# Altium PCB MB1312.PcbDoc (part 2 of 4) (continued)
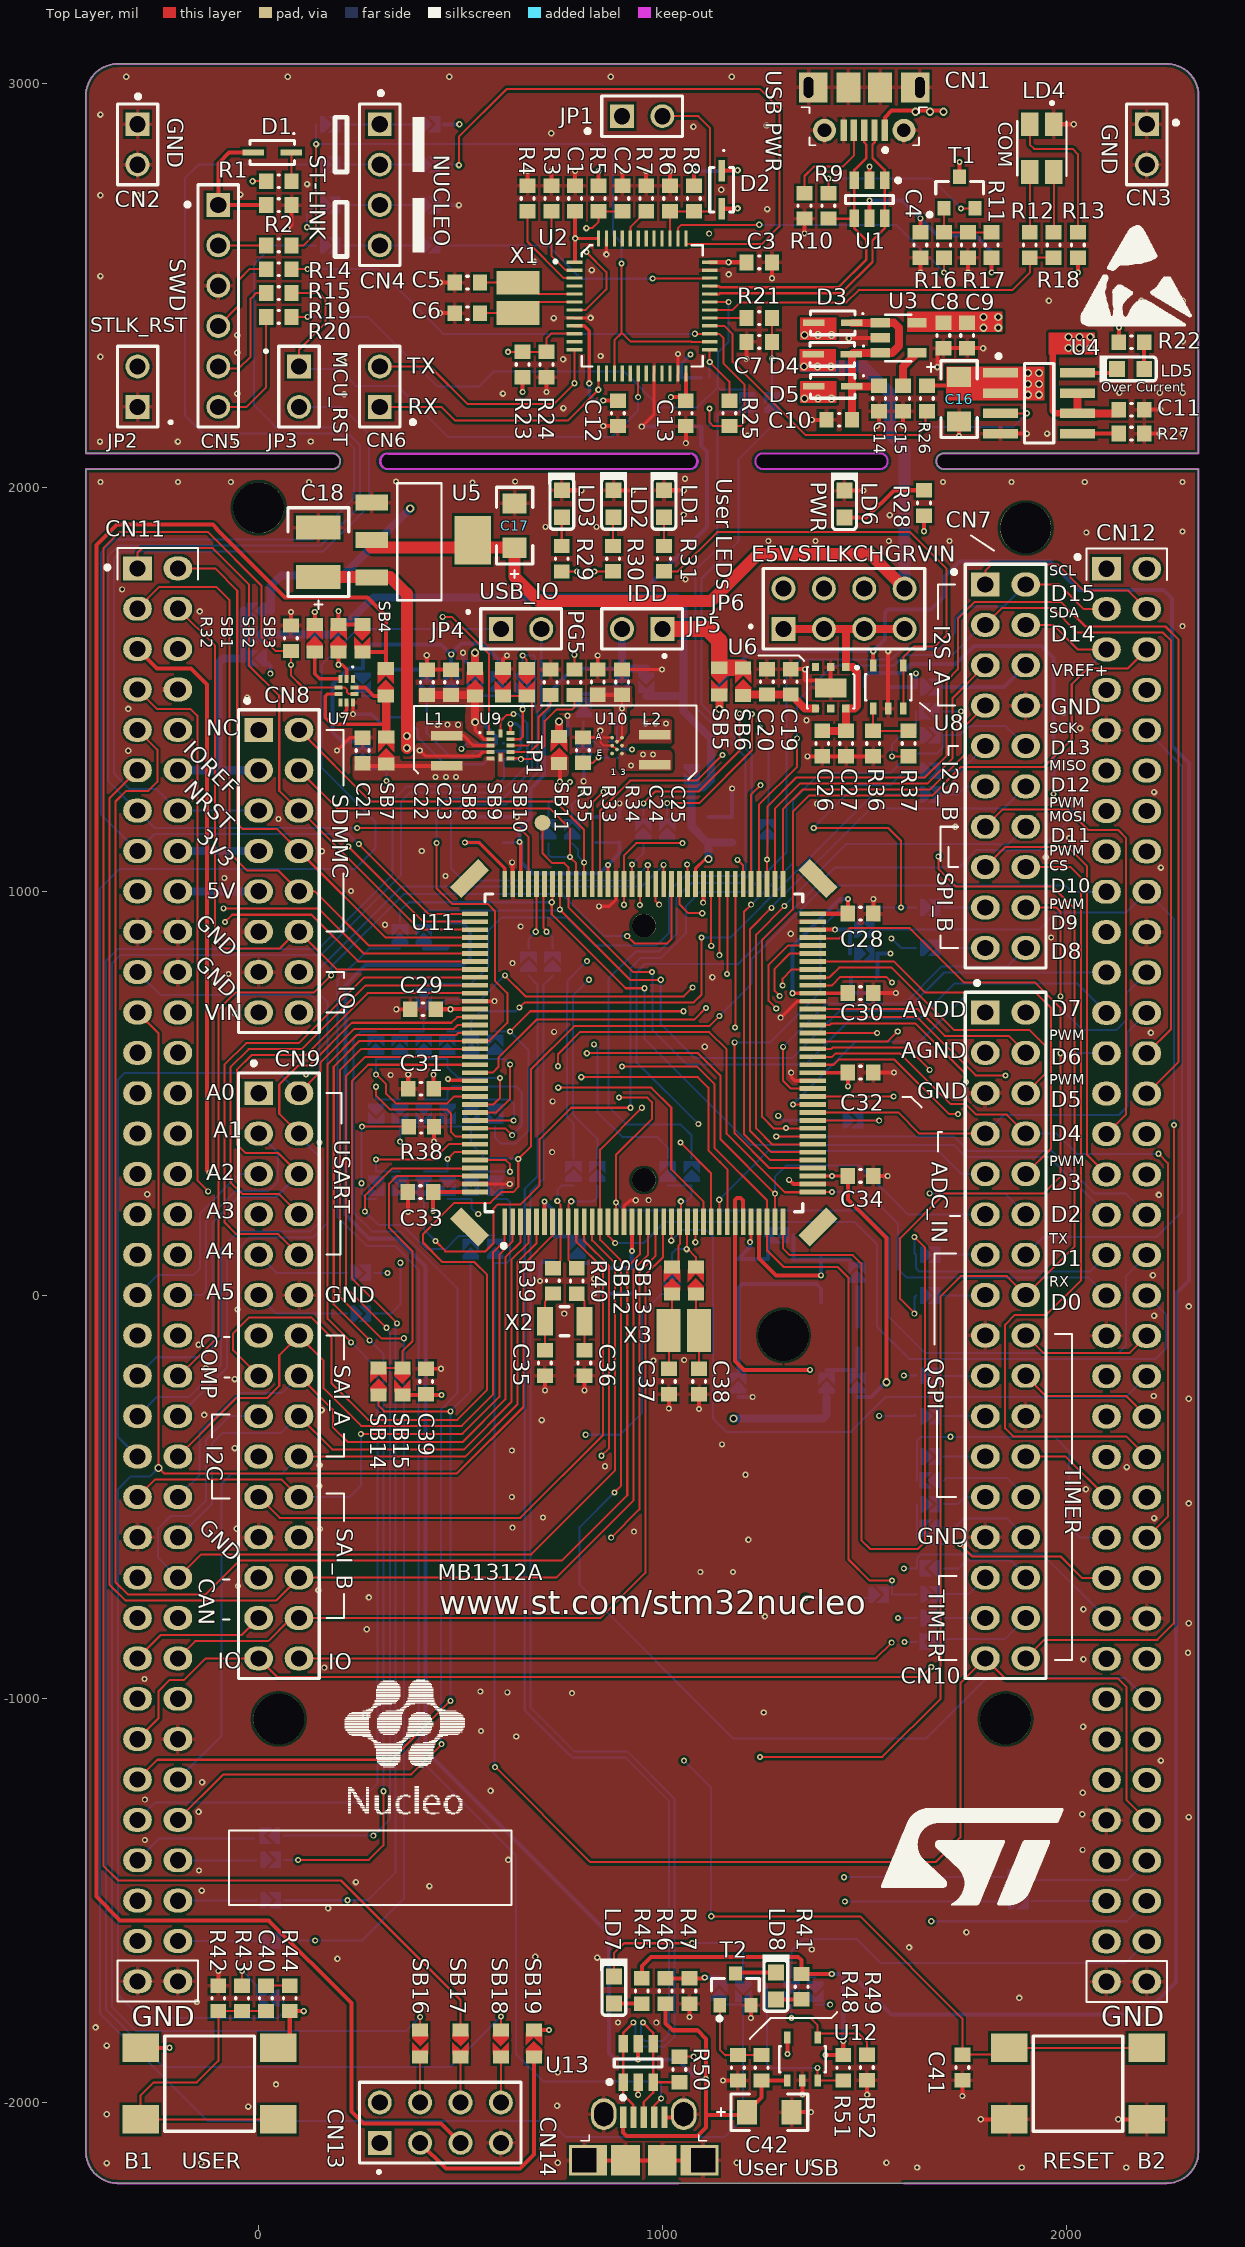
[diagram p0: Top Layer view]
## Nets (pads, with @x,y where several pads share a name; then routed paths per layer and width w, separated by ;. In a path a pad name is that pad's centre, name@x,y a point inside that pad or via, vN(x,y) a via of type N, cw(c..) or ccw(c..) an arc to the next point about the centre after c; other vN are vias at no path point) (continued)
  Signal w5: v1(488.73,1283.33) 572.33,1283.33 782,1493 v1(782,1586)
  other v1: 437.73,1283.33 464,1283.2
NetC22_2: C22.2 C23.1 SB8.1 SB113.1 SB116.2 SB117.2 SB129.2 U9.2 U15.A2 | length 1312.6
  Top Layer w8: v3(536.37,1419) 536.37,1399.05 558.68,1376.75 U9.2@574.39,1376.75
  Top Layer w20: C22.2@413.5,1486.5 536.37,1486.5 v3(536.37,1419)
  Signal w10: v1(477,1587) 477,1478.37 v3(536.37,1419)
  Bottom Layer w10: SB129.2@258,1370.75 207.25,1370.75 183,1395 183,1512 222.75,1551.75 SB113.1@258,1551.75 258,1600 270,1612 452,1612 v1(477,1587) ; SB116.2@477,1551.75 v1(477,1587) ; v3(536.37,1419) 552,1419 588,1383 U15.A2@588,1366.69 ; SB117.2@594.6,1552.08 594.6,1574.4 555,1614 502.84,1614 477,1588.16 v1(477,1587)
NetC24_1: C24.1 C25.2 SB120.2 SB121.2 U10.A3 U10.B2 U16.A2 U16.A3 | length 411
  Top Layer w5: U10.B2@887.69,1370.94 890.13,1370.94 U10.A3@899.97,1380.78 900.31,1381.12 v1(900.31,1453) C25.2@900.31,1486.75
  Top Layer w10: C24.1@839.83,1486.75 C25.2@900.31,1486.75
  Bottom Layer w5: U16.A3@868,1370.94 U16.A2@887.69,1370.94 887.69,1440.38 v1(900.31,1453) ; SB121.2@899.54,1484 SB121.2@899.79,1484.25 v1@899.79,1453.52
  Bottom Layer w10: SB120.2@805,1488.5 SB121.2@895.04,1488.5
NetC35_1: C35.1 R39.1 X2.2 | length 148.4
  Top Layer w5: C35.1@708.79,-136.29 X2.2@708.79,-65 708.79,-16.46 R39.1@729,3.75
NetC36_1: C36.1 R40.1 X2.1 | length 147.8
  Top Layer w5: R40.1@788,3.5 807.21,-15.71 X2.1@807.21,-65 C36.1@807.21,-136.29
NetC37_1: C37.1 SB12.1 X3.2 | length 186.8
  Top Layer w5: X3.2@1015.6,-88 1024,-79.6 SB12.1@1024,2.25 ; C37.1@1016,-181.5 X3.2@1016,-88.4
NetC38_1: C38.1 SB13.1 X3.1 | length 187.2
  Top Layer w5: SB13.1@1083,2.25 1083,-80.6 X3.1@1090.4,-88 ; C38.1@1091,-182.5 X3.1@1091,-88.6
NetC40_1: C40.1 R44.2 | length 59
  Top Layer w5: C40.1@18,-1710.5 R44.2@77,-1710.5
NetC42_1: C42.1 CN14.1 R46.1 R49.1 R54.1 U12.1 U13.5 | length 4633.9
  Top Layer w10: CN14.1@902.82,-2036.79 902.82,-2074.82 911,-2083 1087.4,-2083 1108,-2062.4 1108,-2031 ; v1(940,-1893) U13.5@940,-1854.76 ; R46.1@1008,-1755.5 1008,-1804 1025,-1821 1086.4,-1821 1108,-1842.6 v1@1108,-1942 ; v1@1108,-1941.5 1108,-2031 ; U12.1@1309.6,-1945.15 1309.25,-1945.5 R49.1@1246,-1945.5 1246,-1988 C42.1@1210,-2024 1203,-2031 1108,-2031
  Bottom Layer w10: R54.1@468,923.5 502.5,923.5 524,902 524,834 507,817 264.3,817 215,767.7 215,199 273.5,140.5 343.54,140.5 413.23,70.81 413.23,-1128.23 868,-1583 868,-1879 882,-1893 v1(940,-1893) 1037,-1893 1085.5,-1941.5 v1(1107.5,-1941.5) v1@1108,-1942
NetC46_2: C46.2 SB11.1 U9.6 | length 76.8
  Top Layer w10: v1(746,1271.47) SB11.1@746,1314.25
  Bottom Layer w10: v1(746,1271.47) C46.2@746,1305.5
NetC47_2: C47.2 L2.2 SB127.1 U10.E3 U16.C2 | length 6.7
  Top Layer w6: L2.2@976.27,1317.19 L2.2@979.55,1320.47
  Bottom Layer w6: U16.C2@887.69,1331.57 U16.C2@889.17,1330.09
  other v1: 922,1312 952,1339 977,1339
NetC48_1: C48.1 SB16.1 SB129.1 U9.12 U15.A3 | length 5537.1
  Top Layer w5: SB16.1@400,-1820.25 v1(400,-1788) ; U9.12@599,1390.53 599,1422 614.34,1437.34 635,1437.34 633.34,1439 v1(631,1439)
  Signal w5: v1(317,1273) 379,1273 459,1353 v1(502,1353) 525,1353 611,1439 v1(631,1439) 633.34,1439 v1@635,1437.34
  Bottom Layer w5: SB129.1@258,1303.25 314.75,1303.25 C48.1@317,1305.5 v1(317,1273) ; v1(400,-1788) 365.4,-1822.6 -304.12,-1822.6 -363.46,-1763.26 -363.46,821.33 -342.76,842.03 154.19,842.03 352,1039.84 352,1222 375,1245 599.22,1245 665.32,1311.1 665.32,1416.69 643,1439 v1(631,1439) ; v1(502,1353) 515.69,1366.69 U15.A3@568.31,1366.69
NetCN1_4: CN1.4 R10.1 | length 248.4
  Top Layer w5: R10.1@1352,2729.5 1352,2771.94 1375.06,2795 1447,2795 1474.41,2822.41 CN1.4@1474.41,2885
NetCN4_1: CN4.1 SB100.2 SB101.1 | length 180.5
  Bottom Layer w5: SB100.2@209.75,2900 CN4.1@300,2900 SB101.1@390.25,2900
NetCN4_2: CN4.2 SB102.2 SB103.1 | length 180.5
  Bottom Layer w5: SB102.2@209.75,2800 SB103.1@390.25,2800
NetCN4_3: CN4.3 SB104.2 SB105.1 | length 180.5
  Bottom Layer w5: SB104.2@209.75,2700 CN4.3@300,2700 SB105.1@390.25,2700
NetCN4_4: CN4.4 SB106.2 SB107.1 | length 180.5
  Bottom Layer w5: SB106.2@209.75,2600 CN4.4@300,2600 SB107.1@390.25,2600
NetCN5_1: CN5.1 D1.1 R2.1 | length 320.5
  Top Layer w5: CN5.1@-100,2700 CN5.1@-100,2700 ; D1.1@-13.24,2830 D1.1@-12.24,2829.94
  Top Layer w10: CN5.1@-100,2700 CN5.1@-100,2700 R2.1@18.5,2700 ; CN5.1@-100,2700 -100,2802.94 -72.94,2830 D1.1@-13.24,2830
NetCN5_2: CN5.2 R14.1 | length 117
  Top Layer w5: CN5.2@-100,2600 R14.1@17,2600
NetCN5_4: CN5.4 R15.1 | length 214.4
  Top Layer w5: CN5.4@-100,2400 -48.68,2451.32 -48.68,2515.32 -23,2541 R15.1@18.5,2541
NetCN5_5: CN5.5 R19.1 | length 281.7
  Top Layer w5: CN5.5@-100,2300 -95.5,2295.44 -49,2295.44 -20,2324.44 -20,2468 -6,2482 R19.1@18.5,2482
NetCN5_6: CN5.6 R20.1 | length 313.1
  Top Layer w5: CN5.6@-100,2200 -30,2199.94 18.5,2248.45 R20.1@18.5,2423
NetCN6_1: CN6.1 SB131.2 U2.13 | length 2104.4
  Top Layer w5: CN6.1@300,2200 452.53,2200 486.53,2166 765.46,2166 v2(841.73,2242.27) U2.13@841.73,2282.68 ; v1(953,1218) 981.79,1246.79 1089.53,1246.79 1191,1348.25 v1(1191,1440)
  Signal w5: v2(841.73,2242.27) 843.46,2244 1031,2244 1148,2127 1148,1655.28 1191,1612.28 v1(1191,1440) v1@1192,1439
  Bottom Layer w5: SB131.2@953,1186.75 v1(953,1218)
NetCN6_2: CN6.2 SB130.2 U2.12 | length 2253.8
  Top Layer w5: CN6.2@300,2300 424.5,2300 517.5,2207 731,2207 v1(782.5,2258.5) 782.68,2258.68 U2.12@782.68,2341.73 ; v1(1012,1218.3) 1091.3,1218.3 1222,1349 v1(1222,1439)
  Signal w5: v1(782.5,2258.5) 811,2287 1125,2287 1181,2231 1181,1680 1222,1639 v1(1222,1439)
  Bottom Layer w5: SB130.2@1012,1186.75 v1(1012,1218.3)
NetCN7_6: CN7.6 CN12.7 SB119.2 | length 451.6
  Signal w10: CN7.6@1900,1560 2039,1560 CN12.7@2100,1499
  Bottom Layer w10: SB119.2@1696,1506 1846,1506 CN7.6@1900,1560
NetCN7_9: CN7.9 SB126.2 | length 129.5
  Bottom Layer w5: SB126.2@1695.75,1299 1739,1299 CN7.9@1800,1360
NetCN7_11: CN7.11 SB128.2 | length 112.5
  Bottom Layer w5: SB128.2@1695.75,1240 1732,1240 1752,1260 CN7.11@1800,1260
NetCN7_17: CN7.17 SB133.2 | length 104.3
  Bottom Layer w5: SB133.2@1695.75,960 CN7.17@1800,960
NetCN7_19: CN7.19 SB140.2 | length 104.3
  Bottom Layer w5: SB140.2@1695.75,860 CN7.19@1800,860
NetCN10_13: CN10.13 SB150.2 | length 104.3
  Bottom Layer w5: SB150.2@1695.75,100 CN10.13@1800,100
NetCN10_15: CN10.15 SB155.2 | length 104.7
  Bottom Layer w5: SB155.2@1695.75,-1 1799,-1 CN10.15@1800,0
NetCN10_19: CN10.19 SB157.2 | length 104.3
  Bottom Layer w5: SB157.2@1695.75,-200 CN10.19@1800,-200
NetCN10_21: CN10.21 SB159.2 | length 104.3
  Bottom Layer w5: SB159.2@1695.75,-300 CN10.21@1800,-300
NetCN10_23: CN10.23 SB168.2 | length 113.6
  Top Layer w5: CN10.23@1800,-408.28 CN10.23@1800,-400
  Bottom Layer w5: SB168.2@1695.75,-400 CN10.23@1800,-400 CN10.23@1799.25,-399.25
NetCN10_25: CN10.25 SB170.2 | length 109.7
  Bottom Layer w5: SB170.2@1697.75,-518 1732.06,-518 1750.06,-500 CN10.25@1800,-500
NetCN10_26: CN10.26 SB169.1 | length 224.2
  Bottom Layer w5: SB169.1@1697.75,-459 1703.75,-453 1853,-453 CN10.26@1900,-500
NetCN10_28: CN10.28 SB177.1 | length 230.8
  Bottom Layer w5: SB177.1@1697.75,-577 1722.8,-577 1745.8,-554 1854,-554 CN10.28@1900,-600
NetCN10_29: CN10.29 SB179.2 | length 119.2
  Bottom Layer w5: SB179.2@1697.75,-741 1759,-741 CN10.29@1800,-700
NetCN10_30: CN10.30 SB180.1 | length 230.6
  Bottom Layer w5: SB180.1@1698,-677 1734,-677 1753.03,-657.97 1863.7,-657.97 1900,-694.27 CN10.30@1900,-700
NetCN10_31: CN10.31 SB182.2 | length 102.3
  Bottom Layer w5: SB182.2@1697.75,-800 CN10.31@1800,-800
NetCN10_32: CN10.32 SB188.1 | length 226.7
  Bottom Layer w5: SB188.1@1697.75,-859 1704.75,-852 1848,-852 CN10.32@1900,-800
NetCN11_25: CN11.25 SB145.2 | length 1893
  Signal w5: CN11.25@-300,600 -257.03,557.03 -176.4,557.03 -110,623.43 -110,809.66 -61.66,858 -23.34,858 ; -23.31,857.97 23.31,857.97 ; 23.34,858 76.66,858 ; 76.69,857.97 123.31,857.97 ; 123.34,858 782,858 v1(813,827)
  Bottom Layer w5: SB145.2@780,338.75 780,425.29 763.5,441.79 763.5,747.71 765,749.21 765,779 v1(813,827)
NetCN11_27: CN11.27 SB146.2 | length 1879.2
  Signal w5: CN11.27@-300,500 -257.97,542.03 -170.19,542.03 -95,617.21 -95,803.28 -92.07,806.22 -92.07,806.38 -55.44,843 -29.55,843 ; -29.53,842.97 29.53,842.97 ; 29.55,843 70.45,843 ; 70.47,842.97 129.53,842.97 ; 129.55,843 757.06,843 818,782.06 v1(818,781)
  Bottom Layer w5: v1(818,781) 778.5,741.5 778.5,448 839,387.5 SB146.2@839,338.75
NetCN11_29: CN11.29 SB147.2 | length 1669.2
  Signal w5: CN11.29@-300,400 -254,446 -174.25,446 -145,475.25 -145,524.79 -37.84,631.95 819.95,631.95 v1(830.9,621)
  Bottom Layer w5: v1(830.9,621) 838.88,613.02 838.88,453 900.18,391.69 986.78,391.69 1013.7,364.77 SB147.2@1013.7,338.75
NetCN11_31: CN11.31 SB156.2 | length 2273.9
  Signal w5: CN11.31@-300,300 -367.8,232.2 -367.8,-209.2 -327,-250 380,-250 476,-346 v1(810,-346)
  Bottom Layer w5: v1(810,-346) 895,-346 950,-291 950,-45.38 997.63,2.25 SB156.2@1024,2.25
NetCN11_34: CN11.34 SB144.1 | length 2050.7
  Signal w5: CN11.34@-200,200 -145,255 -145,427 -115,457 -115,512.36 -25.41,601.95 778.83,601.95 829.16,551.62 829.16,476.94 862.1,444 v1(1287,444)
  Bottom Layer w5: v1(1287,444) 1298,433 SB144.1@1437.25,433
NetCN11_65: CN11.65 SB191.2 | length 310.4
  Bottom Layer w5: CN11.65@-300,-1400 -246,-1346 SB191.2@-12,-1346
NetCN11_66: CN11.66 SB192.1 | length 195.4
  Bottom Layer w5: CN11.66@-200,-1400 -6,-1400 SB192.1@-5,-1399
NetCN11_68: CN11.68 SB194.1 | length 195.4
  Bottom Layer w5: CN11.68@-200,-1500 -6,-1500 SB194.1@-5,-1499
NetCN11_70: CN11.70 SB196.1 | length 195.4
  Bottom Layer w5: CN11.70@-200,-1600 -96,-1600 -6,-1600 SB196.1@-5,-1599
NetCN12_1: CN12.1 SB136.2 | length 1797.3
  Signal w5: v1(771,1270.75) 793.25,1293 1136.57,1293 1158.08,1314.5 1587.5,1314.5 1692,1419 1692,1661 1742,1711 1943,1711 2031,1799 CN12.1@2100,1799
  Bottom Layer w5: SB136.2@717.7,1186.5 717.7,1217.45 v1(771,1270.75) ; CN12.1@2098.97,1800.03 CN12.1@2100,1799
NetCN12_2: CN12.2 SB137.2 | length 1804.1
  Signal w5: v1(804.77,1244.23) 833.54,1273 1137.79,1273 1162.79,1298 1592.21,1298 1707,1412.79 1707,1561 1763.03,1617.03 1929.53,1617.03 ; 1929.55,1617 1980,1617 2042,1679 2042,1718 2072,1748 2149,1748 CN12.2@2200,1799
  Bottom Layer w5: SB137.2@776.7,1186.5 776.7,1216.16 v1(804.77,1244.23)
NetCN12_66: CN12.66 SB193.1 | length 308.3
  Bottom Layer w5: SB193.1@1914.5,-1442 1921.5,-1449 2152,-1449 CN12.66@2200,-1401
NetCN12_67: CN12.67 SB195.2 | length 185.5
  Bottom Layer w5: SB195.2@1914.5,-1501 CN12.67@2100,-1501
NetCN14_2: CN14.2 SB142.1 U13.1 U13.6 | length 3289.2
  Top Layer w6.1: v1(928.05,-1802) 902.6,-1827.45 U13.6@902.6,-1854.76 U13.1@902.6,-1949.24 902.6,-1980.36 928.41,-2006.17 CN14.2@928.41,-2036.79
  Bottom Layer w5: SB142.1@728,791 705.78,768.78 705.78,288.46 673,255.67 673,-1021 783,-1131 914,-1131 1029.9,-1246.9 1029.9,-1837.1 1006,-1861 950.32,-1861 933.08,-1843.76 933.08,-1807.02 v1(928.05,-1802)
NetCN14_3: CN14.3 R50.1 SB143.1 U13.3 U13.4 | length 3307.7
  Top Layer w6.1: v1@950.67,-1803.33 953.33,-1803.33 977.4,-1827.4 U13.4@977.4,-1854.76 U13.3@977.4,-1949.24 ; CN14.3@954,-2036.79 954,-1999 977.4,-1975.6 U13.3@977.4,-1949.24 ; R50.1@1041.75,-1949.24 U13.3@977.4,-1949.24
  Bottom Layer w5: SB143.1@668.57,791 690.78,768.78 690.78,294.67 659.1,262.99 659.1,-1028.31 768.32,-1137.54 769.88,-1137.54 777.24,-1144.9 908.24,-1144.9 1016,-1252.66 1016,-1831.34 1000.24,-1847.1 956.07,-1847.1 946.98,-1838 946.98,-1807.02 v1(952,-1802)
NetCN14_4: CN14.4 D6.1 SB134.1 | length 3555.4
  Top Layer w5: CN14.4@979.59,-2036.79 979.59,-2007.41 v1(997,-1990)
  Bottom Layer w5: SB134.1@350,858.25 274.05,858.25 194.9,779.1 194.9,194.35 267.61,121.64 337.64,121.64 395.73,63.56 395.73,-1146.51 638,-1388.79 638,-1881 704.8,-1947.8 D6.1@997,-1947.8 v1(997,-1990)
NetD1_2: D1.2 R1.1 | length 71.1
  Top Layer w5: D1.2@81.24,2830 81.5,2829.75 R1.1@81.5,2759
NetD2_2: D2.2 R8.1 | length 187.1
  Top Layer w10: R8.1@1078,2747.5 v1(1078,2784) ; D2.2@1147,2785.24 v2@1185.61,2785.24
  Bottom Layer w5: v2@1184.43,2787.94 v2(1186.37,2786)
  Bottom Layer w10: v1(1078,2784) 1184.37,2784 v2(1186.37,2786)
NetJP1_2: JP1.2 R6.1 R8.2 U2.39 | length 499.4
  Top Layer w5: JP1.2@1000,2920 1089,2920 1118.46,2890.54 1118.46,2691 1111.96,2684.5 R8.2@1078,2684.5 ; U2.39@1018.9,2617.27 U2.39@1018.9,2617.32 R6.1@1018.9,2684.34 ; R6.1@1019,2684.45 R8.2@1078,2684.45
NetJP4_1: JP4.1 SB198.2 SB199.1 | length 6580.4
  Bottom Layer w5: JP4.1@600,1650 245,1650 156,1561 156,1306 289,1173 289,1106.1 238.8,1055.9 -344.3,1055.9 -393.46,1006.74 -393.46,-1778.66 -126.11,-2046 721,-2046 761,-2086 1153,-2086 1200,-2039 SB198.2@1200,-1757.75 1141.06,-1757.75 SB199.1@1141,-1757.69
NetL1_1: L1.1 U9.3 U15.A1 | length 120
  Top Layer w8: L1.1@466,1385.4 507.69,1385.4 532.09,1361 U9.3@574.39,1361
  Bottom Layer w6: U15.A1@606.2,1366.69 U15.A1@607.69,1366.69
  other v1: 443.27,1412.67 468,1412.8 494.27,1412.67
NetL2_1: L2.1 U10.C3 U16.A1
  other v1: 958.27,1415.67 983,1415.8 1009.27,1415.67
NetL3_1: L3.1 SB158.2 SB167.2 | length 129
  Bottom Layer w10: SB158.2@1407,-185.25 SB167.2@1483,-185.25 1483.53,-184.72 L3.1@1483.53,-132.5
NetL3_2: L3.2 SB152.1 | length 99.1
  Bottom Layer w10: SB152.1@1482,21 1483.53,19.47 L3.2@1483.53,-77.5
NetLD1_1: LD1.1 R31.2 | length 71
  Top Layer w5: R31.2@1004,1855.5 LD1.1@1004,1926.54
NetLD2_1: LD2.1 R30.2 | length 70.7
  Top Layer w5: LD2.1@877.76,1926.07 878,1925.83 R30.2@878,1855.5
NetLD3_1: LD3.1 R29.2 | length 71.1
  Top Layer w5: R29.2@750.75,1855.46 LD3.1@750.75,1926.53
NetLD4_2: LD4.2 R18.2 | length 149.7
  Top Layer w5: R18.2@1969,2632.5 1969.53,2633.02 LD4.2@1969.53,2781.94
NetLD4_3: LD4.3 R12.2 | length 149.6
  Top Layer w5: R12.2@1910,2632.5 1910.47,2632.97 LD4.3@1910.47,2781.94
NetLD4_4: LD4.4 R13.1 | length 372.3
  Top Layer w5: LD4.4@1910.47,2900.06 1910.47,2849.53 1921,2839 2016,2839 2029,2826 R13.1@2029,2632.5
NetLD5_1: LD5.1 R22.2 | length 66
  Top Layer w10: LD5.1@2193.5,2294.03 R22.2@2193.5,2360
NetLD5_2: LD5.2 U4.8 | length 98.1
  Top Layer w10: U4.8@2028.47,2284 LD5.2@2126.54,2284
NetLD6_1: LD6.1 R28.1 | length 225
  Top Layer w10: LD6.1@1451.04,1925.86 1505.86,1925.86 1573.5,1993.5 R28.1@1648,1993.5
NetLD7_1: LD7.1 R45.1 | length 68
  Top Layer w10: LD7.1@880,-1754.46 R45.1@947.97,-1754.46
NetLD7_2: LD7.2 R51.2 SB198.1 U12.3 | length 947
  Top Layer w5: LD7.2@880,-1687.53 880,-1630.53 905,-1605.53 1073.47,-1605.53 v1(1074,-1605) ; v1(1384.4,-1914) U12.3@1384.4,-1945.15 1384,-1945.55 1447.95,-1945.55 R51.2@1448,-1945.5
  Bottom Layer w5: v1(1074,-1605) 1179,-1605 1200,-1626 SB198.1@1200,-1690.25 1239.25,-1690.25 1259.12,-1710.12 1259.12,-1904.12 1269,-1914 v1(1384.4,-1914)
NetLD8_1: LD8.1 R41.1 | length 64
  Top Layer w10: LD8.1@1281.01,-1744.47 R41.1@1344.97,-1744.47
NetLD8_2: LD8.2 T2.3 | length 101.3
  Top Layer w10: T2.3@1181.01,-1680.63 1184.1,-1677.54 LD8.2@1281.01,-1677.54
NetR3_2: R3.2 U2.2 | length 183.1
  Top Layer w5: R3.2@725,2684.77 R3.2@725,2684.5 725,2574 760.48,2538.53 U2.2@782.68,2538.58
NetR4_2: R4.2 U2.3 | length 229.5
  Top Layer w5: R4.2@666,2684.5 666,2608.94 756.04,2518.9 U2.3@782.68,2518.9
NetR7_2: R7.2 U2.44 | length 83.7
  Top Layer w5: U2.44@920.47,2617.27 920.47,2644.61 R7.2@960.32,2684.45
NetR9_2: R9.2 T1.2 | length 427.9
  Top Layer w5: R9.2@1411,2729.5 v1@1411,2763 ; v1(1739.93,2691.63) T1.2@1774.58,2691.63
  Bottom Layer w5: v1(1411,2766) 1665.56,2766 v1(1739.93,2691.63)
NetR11_1: R11.1 R16.1 R17.2 T1.1 | length 176.9
  Top Layer w5: T1.1@1697.7,2691.35 R16.1@1697.7,2632.5 R11.1@1815.7,2632.5
NetR21_1: R21.1 U2.29 | length 90.8
  Top Layer w5: U2.29@1117.32,2420.47 R21.1@1208.09,2420.41
NetR26_2: R26.2 U2.28 U4.3 | length 1058.8
  Top Layer w5: U2.28@1117.32,2400.79 1153.11,2400.79 1174,2379.9 1174,2311.45 1355.45,2130 1632.5,2130 v1(1652,2149.5) R26.2@1652,2186 ; U4.3@1837.53,2184 v2(1903,2184)
  Bottom Layer w5: v1@1655,2150.6 1869.6,2150.6 v2(1903,2184)
NetR27_2: R27.2 U4.5 | length 92.8
  Top Layer w10: U4.5@2028.47,2134 R27.2@2121.31,2134
NetR29_1: R29.1 SB132.2 | length 1087.2
  Top Layer w5: R29.1@750.75,1792.47 v1(788.47,1792.47)
  Signal w5: v1(788.47,1792.47) 815,1819 848,1819 860,1807 860,1713 844,1697 844,1622 880,1586 1041,1586 1058,1569 1058,1477 1129,1406 v1(1242,1406)
  Bottom Layer w5: v1(1242,1406) 1263,1385 1263,1188.5 SB132.2@1261,1186.5
NetR31_1: R31.1 U8.3 U8.4 | length 1196.6
  Top Layer w5: R31.1@1006,1792.5 1038.5,1792.5 1135.5,1889.5 1613.5,1889.5 1704,1799 1704,1635 1675,1606 1623,1606 1596.9,1579.9 U8.4@1596.9,1559.15 U8.3@1596.9,1452.85
NetR32_1: R32.1 SB17.1 U7.4 U7.9 U9.1 | length 6053.9
  Top Layer w5: U7.9@237.69,1489.13 222.88,1489.13 219,1493 219,1499 213.13,1504.87 U7.4@198.32,1504.87 109.88,1504.87 80,1534.75 v1(80,1561) R32.1@80,1595.5 41.5,1595.5 7,1630 7,1757 -126.6,1890.6 -344,1890.6 -384.5,1850.1 -384.5,-1413.2 -347.7,-1450 204,-1450 500,-1746 SB17.1@500,-1820.25 ; v1(455.9,1680) 478.82,1680 570,1588.82 570,1396.89 U9.1@574.39,1392.5
  Signal w5: v1(80,1561) 155.18,1561 274.18,1680 v1(455.9,1680)
NetR33_2: R33.2 U9.8 | length 210.9
  Top Layer w5: U9.8@623.61,1345.25 672.29,1345.25 693.18,1366.15 693.18,1431.18 723,1461 R33.2@723,1486.5
NetR34_2: R34.2 SB18.1 U9.7 U15.C1 | length 5367.9
  Top Layer w5: SB18.1@600,-1820.25 v1(600,-1787) ; v1(649.32,1327.32) 675.57,1327.32 708.39,1360.14 708.39,1421.39 738,1451 777,1451 782,1456 R34.2@782,1486.5
  Top Layer w6: U9.7@623.61,1329.5 v1@649.32,1329.5
  Bottom Layer w5: v1(600,-1787) 475,-1912 -235.93,-1912 -378.46,-1769.47 -378.46,827.54 -348.97,857.03 147.98,857.03 331,1040.05 331,1224 367,1260 587.73,1260 607.69,1279.96 U15.C1@607.69,1327.32
  Bottom Layer w6: U15.C1@607.69,1327.32 v1(649.32,1327.32)
NetR35_2: R35.2 U16.C3 | length 70.9
  Top Layer w5: R35.2@803,1318.25 828.25,1318.25 v1(842,1332)
  Bottom Layer w5: v1(842,1332) 867.57,1332 U16.C3@868,1331.57
NetR36_1: R36.1 R37.1 U8.1 | length 143.4
  Top Layer w5: U8.1@1522.09,1452.85 1522.09,1397.59 R36.1@1522,1397.5 R37.1@1610,1397.5
NetR37_2: R37.2 SB123.1 SB124.2 | length 198.4
  Top Layer w5: v1(1569,1334.5) R37.2@1610,1334.5
  Bottom Layer w5: v1(1569,1334.5) 1569,1364 1592,1387 SB123.1@1628.25,1387 1628.25,1445.75 SB124.2@1628.5,1446
NetR46_2: R46.2 R47.1 SB199.2 | length 134
  Top Layer w10: R46.2@1008,-1692.5 R47.1@1067,-1692.5 1102.68,-1692.5 v1(1105,-1690.19)
  Bottom Layer w10: v1(1105,-1690.19) SB199.2@1141,-1690.19
NetR48_2: R48.2 R49.2 T2.1 | length 219.5
  Top Layer w5: T2.1@1142.42,-1759.37 1142.42,-1869.42 1156,-1883 1156.5,-1882.5 R48.2@1187,-1882.5 R49.2@1246,-1882.5
NetR50_2: R50.2 SB201.2 | length 483.2
  Top Layer w5: R50.2@1042,-1886.5 v1(1077.5,-1886.5)
  Signal w5: v1(1077.5,-1886.5) 1077.5,-1853.5 1173.25,-1757.75 v1(1415.75,-1757.75)
  Bottom Layer w5: SB201.2@1379,-1757.75 v1(1415.75,-1757.75)
NetR52_2: R52.2 SB200.2 U12.4 | length 298.6
  Top Layer w5: v1(1320,-1791) 1367,-1791 1384.4,-1808.4 U12.4@1384.4,-1830.6 ; U12.4@1384.4,-1838.85 U12.4@1384.4,-1830.6 ; R52.2@1506.68,-1881.5 1506.68,-1849.68 1486,-1829 1386,-1829 U12.4@1384.4,-1830.6
  Bottom Layer w5: v1(1320,-1791) SB200.2@1320,-1757.75
NetR53_2: R53.2 SB113.2 U15.C3 | length 425.2
  Bottom Layer w6: SB113.2@258,1484.25 314.75,1484.25 R53.2@317,1486.5 317,1439 325,1431 362,1431 394.09,1398.91 394.09,1382.09 461.38,1314.81 555.81,1314.81 U15.C3@568.31,1327.32
NetR54_2: R54.2 SB135.1 | length 59.9
  Bottom Layer w10: SB135.1@409,858.25 465.75,858.25 R54.2@468,860.5
NetSB1_1: SB1.1 U7.3 | length 122.7
  Top Layer w9: SB1.1@139,1593.25 139,1539 151.47,1526.53 U7.3@202.25,1526.53
NetSB2_1: SB2.1 U7.2 U7.7 | length 243.8
  Top Layer w9: v1(197.77,1561.23) 198.44,1561.23 206.77,1561.23 218,1550 U7.2@218,1526.53 ; v1(207,1437) 207,1437.46 218,1448.46 U7.7@218,1467.47
  Top Layer w10: SB2.1@197.77,1593.31 197.77,1561.89 v1@198.44,1561.23
  Signal w9: v1(197.77,1561.23) 207,1552 v1(207,1437)
NetSB4_1: SB4.1 SB7.2 U7.5 U7.10 | length 477.5
  Top Layer w8: U7.5@198.32,1489.13 170.63,1489.13 165,1483.5 165,1430 181,1414 309,1414 315,1420 315,1383.5 SB7.2@316,1382.5 ; SB7.2@315,1379.25 SB7.2@315,1382.75
  Top Layer w9: U7.10@237.69,1504.87 264.13,1504.87 285,1484 SB4.1@315,1484
  Top Layer w20: SB4.1@315,1484 316,1483 SB7.2@316,1382.5
NetSB9_2: SB9.2 SB10.2 U9.9 | length 235.1
  Top Layer w5: SB9.2@595,1484.25 SB10.2@654,1484.25 ; U9.9@623.61,1361 666.83,1361 677,1371.17 677,1471.25 SB10.2@664,1484.25
NetSB14_2: SB14.2 SB15.1 U11.142 | length 770.1
  Top Layer w5: SB14.2@297,-180.25 SB15.1@356,-180.25 356,-139 381,-114 381,108.39 323,166.39 323,276 341.88,294.88 U11.142@535.69,294.88
NetSB114_2: SB114.2 SB116.1 U15.B3 | length 353.3
  Bottom Layer w6: SB114.2@404,1471.95 415.99,1483.94 SB114.2@415.99,1484.56 ; SB116.1@477,1484.25 SB114.2@416.3,1484.25 416.3,1392 475.88,1332.42 522,1332.42 536.58,1347 U15.B3@568.31,1347
NetSB115_2: SB115.2 SB117.1 SB118.2 U9.10 | length 252.8
  Top Layer w6: U9.10@623.61,1376.75 647.75,1376.75 654,1383 v1(654,1451)
  Bottom Layer w6: SB115.2@526.6,1484.58 SB115.2@535.6,1484.58 SB118.2@644.92,1484.58 ; v1(654,1451) SB118.2@654,1484.5
NetSB120_1: SB120.1 SB125.2 U16.B3 | length 121.3
  Bottom Layer w5: SB120.1@805,1421 SB125.2@805,1370.75 831.61,1370.75 851.11,1351.26 U16.B3@868,1351.26
NetSB138_1: SB138.1 SB139.1 U11.70 | length 152
  Top Layer w10: U11.70@1372.31,905.12 v1(1427.88,905.12)
  Bottom Layer w10: v1(1427.88,905.12) 1465.13,905.12 SB138.1@1465.25,905 SB139.1@1465.25,846
NetSB160_1: SB160.1 SB161.1 U11.132 | length 392.6
  Top Layer w5: v1(291,546) 292,546 316,522 316,498.47 340.37,474.1 466.1,474.1 483.73,491.73 U11.132@535.69,491.73
  Bottom Layer w5: v1@290.53,547 SB160.1@290.53,585 SB161.1@349.53,585
NetSB162_1: SB162.1 SB164.1 U11.133 | length 342.9
  Top Layer w5: U11.133@535.69,472.05 581.05,472.05 598,489 v1(598,538) 600,538 v1@601,537
  Bottom Layer w5: SB162.1@408.53,584.98 467.26,584.98 SB164.1@467.53,585.25 467.53,564.76 494.28,538 v1(598,538)
NetSB163_1: SB163.1 SB165.1 U11.134 | length 288.4
  Top Layer w5: U11.134@535.69,452.36 589,452.36 623,486.37 v1(623,571)
  Bottom Layer w5: SB163.1@526.53,585.25 SB165.1@585.53,585.25 608.75,585.25 v1(623,571)
NetSB171_1: SB171.1 SB172.1 U11.137 | length 425.7
  Top Layer w5: v1(291,516) 291,494 325.9,459.1 466.9,459.1 476.15,449.85 476.15,404.15 487,393.31 U11.137@535.69,393.31
  Bottom Layer w5: v1(291,516) SB171.1@291,484.5 SB172.1@350,484.5
NetSB173_1: SB173.1 SB174.1 U11.136 | length 490
  Top Layer w5: U11.136@535.69,412.99 610.99,412.99 v1(627.98,396)
  Bottom Layer w5: SB173.1@409,484.5 SB174.1@468,484.5 468,505 480.1,517.1 637.25,517.1 651.68,502.68 651.68,419.7 v1(627.98,396)
NetSB175_1: SB175.1 SB176.1 U11.135 | length 247.8
  Top Layer w5: U11.135@535.69,432.68 v1(631.68,432.68) v1@632,433
  Bottom Layer w5: SB175.1@526.53,485 620.98,485 632,473.98 v1@632,432.68
NetSB181_1: SB181.1 SB186.1 U11.139 | length 165.2
  Top Layer w5: v1(468,337) 484.94,353.94 U11.139@535.69,353.94
  Bottom Layer w5: SB181.1@409,305.5 SB186.1@468,305.5 v1(468,337)
NetSB183_1: SB183.1 SB184.1 U11.138 | length 350.1
  Top Layer w5: v1(291,336) 433,336 471,374 535.32,374 U11.138@535.69,373.62
  Bottom Layer w5: v1(291,336) SB183.1@291,305.5 SB184.1@350,305.5
NetSB185_1: SB185.1 SB187.1 U11.140 | length 205.4
  Top Layer w5: U11.140@535.69,334.25 535.95,334 612.33,334 622.82,323.51 v1(622.82,305.5)
  Bottom Layer w5: SB185.1@527,305.5 SB187.1@586,305.5 v1(622.82,305.5)
NetSB189_2: SB189.2 SB190.2 U11.141 | length 712.9
  Top Layer w5: v1(263,207) 263,245.75 331.25,314 535.13,314 U11.141@535.69,314.57
  Bottom Layer w5: v1(263,207) 297,173 357,173 416,114 463.06,114 495.56,146.5 SB189.2@525,146.5 ; SB189.2@525,147 SB190.2@584,147
NRST: B2.2 B2.3 C41.2 CN8.5 CN11.14 JP3.2 U11.25 | length 9105.9
  Top Layer w5: v2@1081.95,134 U11.25@1081.95,181.69 ; v1@1121.32,-1539 1490,-1539 1743,-1792 C41.2@1743,-1881.5 B2.2@1841.64,-1881.5 ; B2.2@1830,-1835.69 B2.2@1858.72,-1864.42 B2.3@2199.28,-1864.42
  Signal w5: CN11.14@-200,1200 -246,1246 -351,1246 -412.95,1184.05 -412.95,-1094.05 -353,-1154 577.97,-1154 578.67,-1153.3 v1(1053.7,-1153.3) 1121,-1086 1121,92 v2(1082,131)
  Bottom Layer w5: CN8.5@0,1200 CN11.14@-200,1200 -254,1254 -321,1254 -358,1291 -358,1824.64 -340.61,1842.03 160.69,1842.03 272.8,1954.14 272.8,2133.2 206,2200 JP3.2@100,2200 ; v1(1053.7,-1153.3) 1121,-1220.6 v1(1121,-1538.68)
OSC_IN: C5.1 U2.5 X1.2 | length 245.1
  Top Layer w5: C5.1@548.5,2508 X1.2@641.4,2508 ; X1.2@642,2507.4 665.6,2507.4 693.47,2479.53 U2.5@782.68,2479.53
OSC_OUT: C6.1 U2.6 X1.1 | length 245.1
  Top Layer w5: C6.1@548.5,2432 X1.1@641.4,2432 ; X1.1@642,2432.6 665.6,2432.6 692.84,2459.84 U2.6@782.68,2459.84 U2.6@782.52,2460
PA0: CN11.28 SB178.2 SB179.1 U11.34 | length 3242.3
  Top Layer w5: v1(900,566) 1086,566 1129,523 1129,365 1259.12,234.88 U11.34@1259.12,181.69 1259.12,110.88 1300,70 1433.82,70 1461,42.82 1461,-655 1513.25,-707.25 v1(1568.75,-707.25)
  Signal w5: CN11.28@-200,500 -191,500 -80,611 -80,717 -49.05,747.95 773.26,747.95 900,621.21 v1(900,566)
  Bottom Layer w5: SB178.2@1568.75,-742 SB178.2@1568.75,-741.7 ; v1@1571,-705 v1(1568.75,-707.25) SB178.2@1568.75,-741.7 ; SB179.1@1630.25,-741 1629.55,-741.7 SB178.2@1568.75,-741.7